# Allegro board 1119394-C028P02-36-DE2-C01_pcb.brd
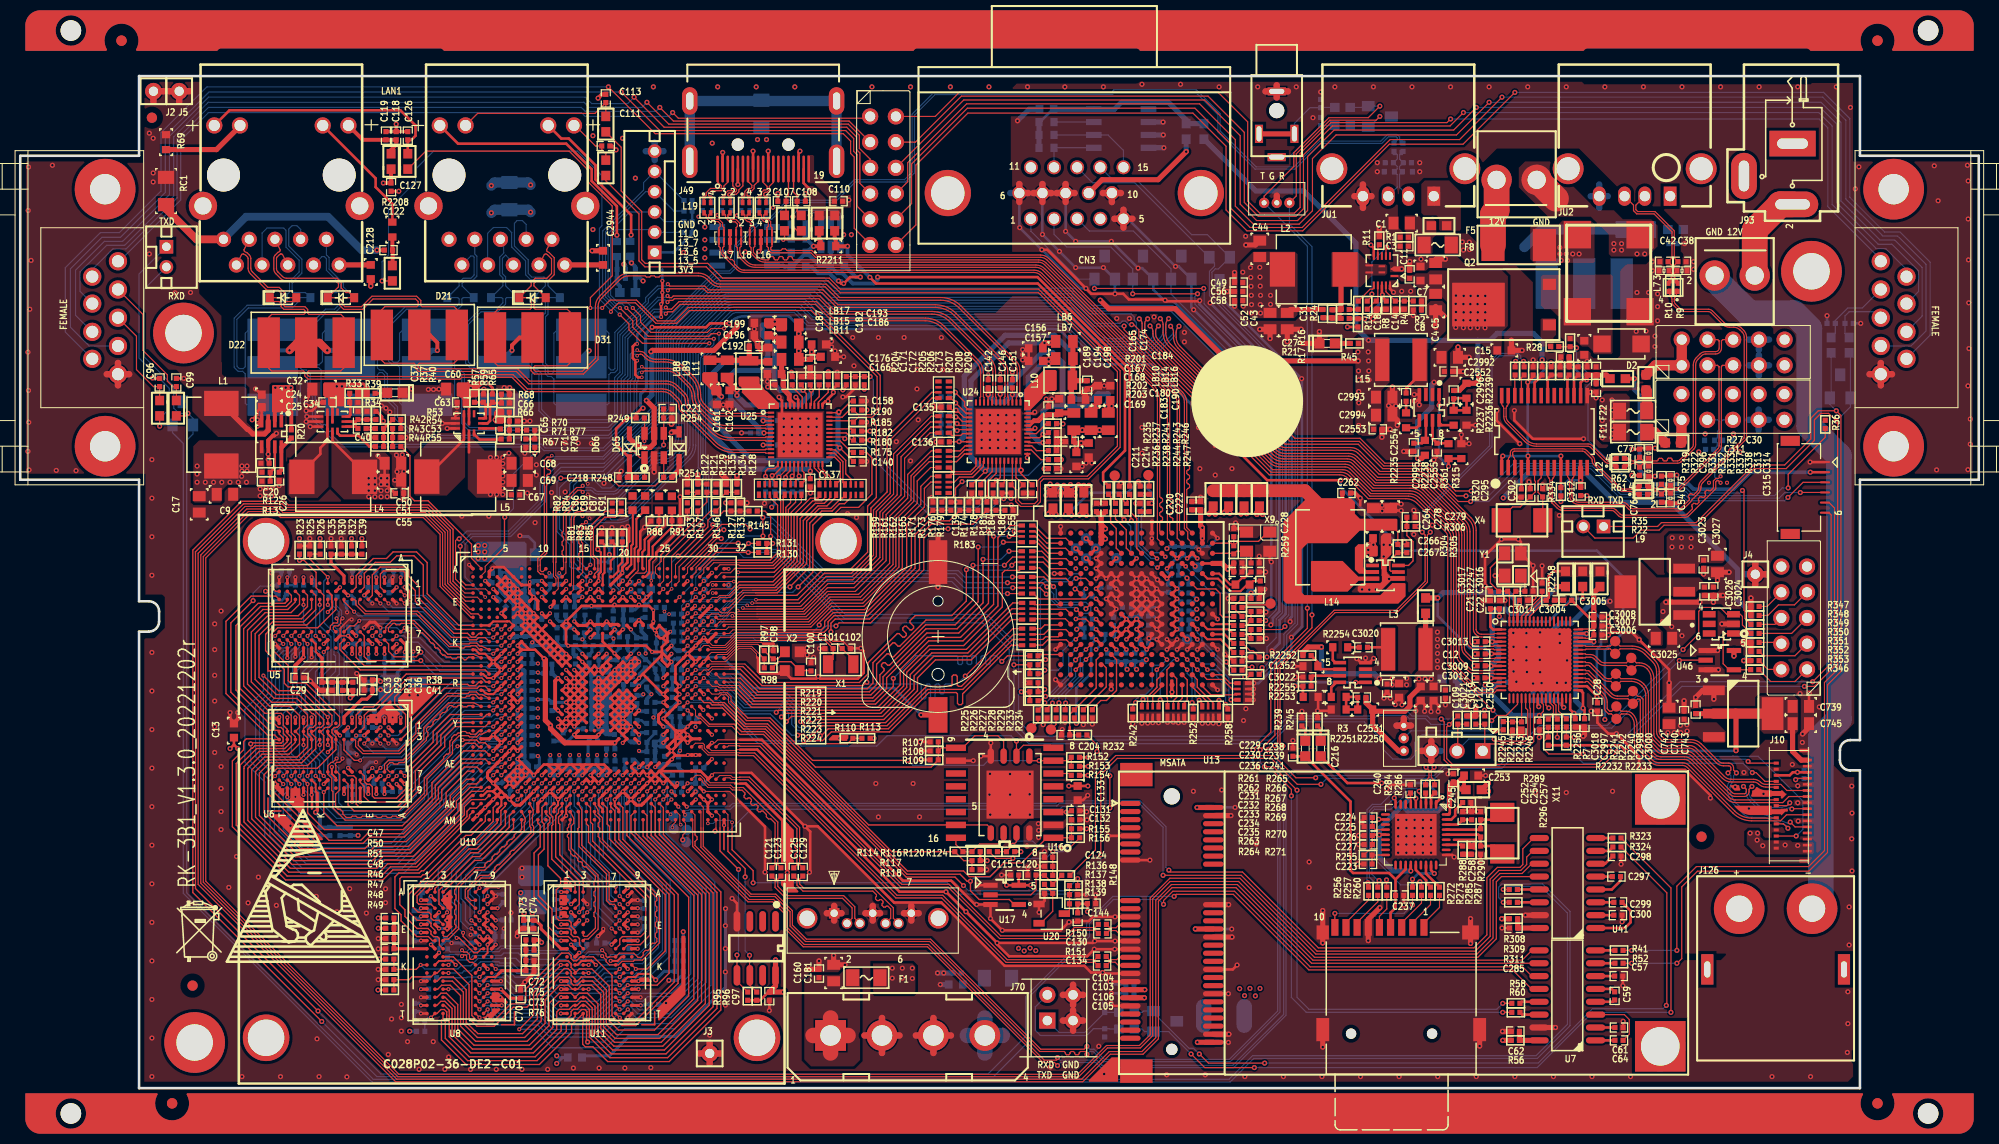
[diagram p0: board, top side]
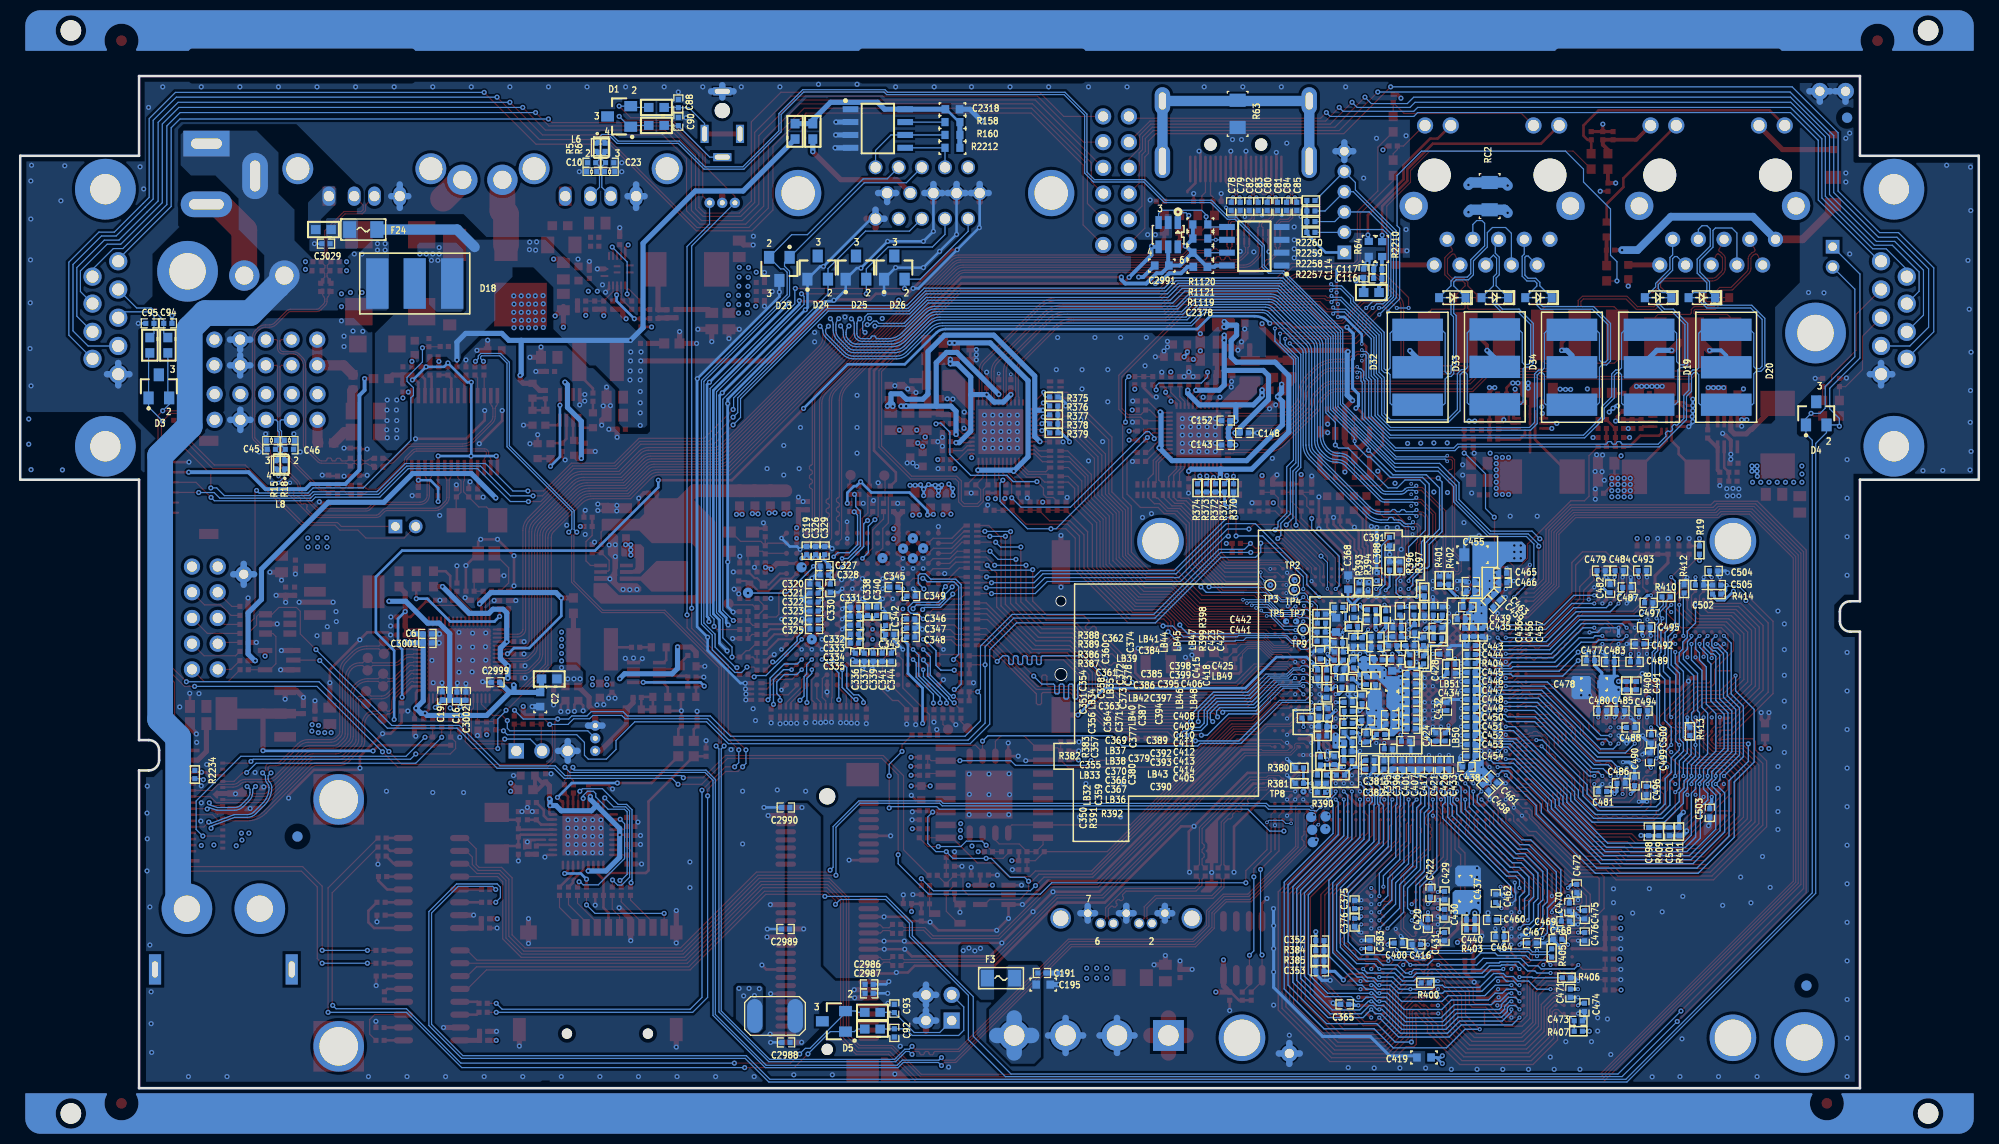
[diagram p1: board, bottom side, seen from below]

Outline 193.45 x 100 mm; copper layers: TOP, GND02, PWR03, BOTTOM. Coordinates in mm from the lower left corner of the outline.
Outline path: 0,92.13 11.73,92.13 11.73,100 181.71,100 181.71,92.13 193.45,92.13 193.45,60.12 181.71,60.12 181.71,34.39 180.75,34.39 arc(180.03,34.09) 179.73,33.38 179.73,32.41 arc(180.03,31.69) 180.75,31.39 181.71,31.39 181.71,0 11.73,0 11.73,45.11 12.7,45.11 arc(13.42,45.41) 13.72,46.13 13.72,47.09 arc(13.42,47.81) 12.7,48.11 11.73,48.11 11.73,60.12 0,60.12 0,92.13

## Design rules (mm)
constraint set DEFAULT: min track width 0.114
net group 15: nets JTAG_TCK JTAG_TRSTN
net group AC0_LINEIN_L: nets AC0_LINEIN_L N1265743
net group AC0_LINEIN_R: nets AC0_LINEIN_R N1265629
net group DIFFJ141: nets SATA_TXM2 SATA_TXP2
net group DIFFJ142: nets SATA_RXM1 SATA_RXP1
net group DIFFPAIR21: nets USB2_DM1 USB2_DP1
net group DIFFPAIR22: nets USB2_DM0 USB2_DP0
net group DIFFPAIR37: nets USB3_TXM USB3_TXP
net group DIFFPAIR38: nets USB3_RXM USB3_RXP
net group DIFFPAIR45: nets SATA_TXM1 SATA_TXP1
net group DIFFPAIR60: nets GE0_MDI1_N GE0_MDI1_P
net group DIFFPAIR61: nets GE0_MDI0_N GE0_MDI0_P
net group EPHY1_RSTN: nets EPHY1_RSTN N1300455
net group GE0_MDI2: nets GE0_MDI2_N GE0_MDI2_P
net group GE0_MDI3: nets GE0_MDI3_N GE0_MDI3_P
net group GE1_MDI0: nets GE1_MDI0_N GE1_MDI0_P
net group GE1_MDI1: nets GE1_MDI1_N GE1_MDI1_P
net group GE1_MDI2: nets GE1_MDI2_N GE1_MDI2_P
net group GE1_MDI3: nets GE1_MDI3_N GE1_MDI3_P
net group HDMI_7842_TX0+: nets HDMI_7842_TX0+ N18473859
net group HDMI_7842_TX0-: nets HDMI_7842_TX0- N18473862
net group HDMI_7842_TX1+: nets HDMI_7842_TX1+ N18989021
net group HDMI_7842_TX1-: nets HDMI_7842_TX1- N18988998
net group HDMI_7842_TX2+: nets HDMI_7842_TX2+ N18473853
net group HDMI_7842_TX2-: nets HDMI_7842_TX2- N18473856
net group HDMI_7842_TXC+: nets HDMI_7842_TXC+ N18988909
net group HDMI_7842_TXC-: nets HDMI_7842_TXC- N18988802
net group MDCK: nets BOOTROM_SEL MDCK
net group MIPI0: nets MIPI_N1_D0+ MIPI_N1_D0-
net group MIPI1: nets MIPI_N1_D1+ MIPI_N1_D1-
net group MIPI2: nets MIPI_N1_D2+ MIPI_N1_D2-
net group MIPI3: nets MIPI_N1_D3+ MIPI_N1_D3-
net group MIPIC: nets MIPI_N1_CLK+ MIPI_N1_CLK-
net group N121250: nets N121250 N121664
net group SATA_RX2: nets SATA_RXM2 SATA_RXP2
net group SATA_RXM0: nets N16774177 SATA_RXM0
net group SATA_RXP0: nets N16774181 SATA_RXP0
net group SATA_TXM0: nets N16774185 SATA_TXM0
net group SATA_TXP0: nets N16774189 SATA_TXP0
net group SFC_BOOT_MODE: nets SFC_BOOT_MODE SFC_CLK
net group SFC_HOLD_IO3: nets N369871 SFC_HOLD_IO3
net group SN_BOOT_PIN1: nets SN_BOOT_PIN1 VOU1120_DATA8/I2S0_MCLK
net group USB3_DM: nets N18944001 USB3_DM
net group USB3_DP: nets N18943994 USB3_DP
net group USB_EX1_DM: nets N18131779 USB_EX1_DM
net group USB_EX1_DP: nets N18131773 USB_EX1_DP
net group USB_EX2_DM: nets N18947100 USB_EX2_DM
net group USB_EX2_DP: nets N18947108 USB_EX2_DP
net group USB_EX3_DM: nets N18946581 USB_EX3_DM
net group USB_EX3_DP: nets N18946589 USB_EX3_DP
net group USB_EX4_DM: nets N18943986 USB_EX4_DM
net group USB_EX4_DP: nets N18943978 USB_EX4_DP
net group VGA_HS: nets N791895 VGA_HS
net group VGA_VS: nets N791899 VGA_VS
net group WDG_RSTN: nets N121704 WDG_RSTN
net group BOOT_SEL1: nets BOOT_SEL1 EPHY0_CLK N1294199
net group DDR0: nets DDR0_A0 DDR0_A1 DDR0_A2 DDR0_A3 DDR0_A4 DDR0_A5 DDR0_A6 DDR0_A7 DDR0_A8 DDR0_A9 DDR0_A10 DDR0_A11 DDR0_A12 DDR0_A13 DDR0_A14 DDR0_A15 DDR0_BA0 DDR0_BA1 DDR0_BA2 DDR0_CAS_N DDR0_CKE DDR0_ODT DDR0_RAS_N DDR0_RESET_N DDR0_WE_N DDR0_ZQ
net group DDR0_DQ0: nets DDR0_DM0 DDR0_DQ0 DDR0_DQ1 DDR0_DQ2 DDR0_DQ3 DDR0_DQ4 DDR0_DQ5 DDR0_DQ6 DDR0_DQ7 DDR0_DQS0_N DDR0_DQS0_P
net group DDR0_DQ1: nets DDR0_DM1 DDR0_DQ8 DDR0_DQ9 DDR0_DQ10 DDR0_DQ11 DDR0_DQ12 DDR0_DQ13 DDR0_DQ14 DDR0_DQ15 DDR0_DQS1_N DDR0_DQS1_P
net group DDR0_DQ2: nets DDR0_DM2 DDR0_DQ16 DDR0_DQ17 DDR0_DQ18 DDR0_DQ19 DDR0_DQ20 DDR0_DQ21 DDR0_DQ22 DDR0_DQ23 DDR0_DQS2_N DDR0_DQS2_P
net group DDR0_DQ3: nets DDR0_DM3 DDR0_DQ24 DDR0_DQ25 DDR0_DQ26 DDR0_DQ27 DDR0_DQ28 DDR0_DQ29 DDR0_DQ30 DDR0_DQ31 DDR0_DQS3_N DDR0_DQS3_P
net group DDR1: nets DDR1_A0 DDR1_A1 DDR1_A2 DDR1_A3 DDR1_A4 DDR1_A5 DDR1_A6 DDR1_A7 DDR1_A8 DDR1_A9 DDR1_A10 DDR1_A11 DDR1_A12 DDR1_A13 DDR1_A14 DDR1_A15 DDR1_BA0 DDR1_BA1 DDR1_BA2 DDR1_CAS_N DDR1_CKE DDR1_CS_N DDR1_ODT DDR1_RAS_N DDR1_RESET_N DDR1_WE_N DDR1_ZQ
net group DDR1_DQ0: nets DDR1_DM0 DDR1_DQ0 DDR1_DQ1 DDR1_DQ2 DDR1_DQ3 DDR1_DQ4 DDR1_DQ5 DDR1_DQ6 DDR1_DQ7 DDR1_DQS0_N DDR1_DQS0_P
net group DDR1_DQ1: nets DDR1_DM1 DDR1_DQ8 DDR1_DQ9 DDR1_DQ10 DDR1_DQ11 DDR1_DQ12 DDR1_DQ13 DDR1_DQ14 DDR1_DQ15 DDR1_DQS1_N DDR1_DQS1_P
net group DDR1_DQ2: nets DDR1_DM2 DDR1_DQ16 DDR1_DQ17 DDR1_DQ18 DDR1_DQ19 DDR1_DQ20 DDR1_DQ21 DDR1_DQ22 DDR1_DQ23 DDR1_DQS2_N DDR1_DQS2_P
net group DDR1_DQ3: nets DDR1_DM3 DDR1_DQ24 DDR1_DQ25 DDR1_DQ26 DDR1_DQ27 DDR1_DQ28 DDR1_DQ29 DDR1_DQ30 DDR1_DQ31 DDR1_DQS3_N DDR1_DQS3_P
net group EPHY0_RSTN: nets EPHY0_RSTN N1293779 UPDATE_FROM_USB
net group EPHY1_CLK: nets EPHY1_CLK N1300229 SATA_PCIE_MODE1
net group GE0_1V05_PHY: nets GE0_1V05_PHY
net group GE1_1V05_PHY: nets GE1_1V05_PHY
net group GND_EARTH: nets GND_EARTH N19002478 N19002508 N19002660 N19004060 N19004132 N19004143
net group HDMI_J66: nets HDMI_TX0N HDMI_TX0P HDMI_TX1N HDMI_TX1P HDMI_TX2N HDMI_TX2P HDMI_TXCN HDMI_TXCP
net group RGMII: nets RGMII0_COL RGMII0_RXER RGMII1_COL RGMII1_CRS RGMII1_RXER
net group RGMII0: nets GE0_AN0 GE0_AN1 GE0_PHY_AD2 GE0_SELRGV GE0_TXDLY MDIO N1294187 RGMII0_RXCK RGMII0_RXD0 RGMII0_RXD1 RGMII0_RXD2 RGMII0_RXD3 RGMII0_RXDV RGMII0_TXCKOUT RGMII0_TXD0 RGMII0_TXD1 RGMII0_TXD2 RGMII0_TXD3 RGMII0_TXEN SYS_RSTN
net group RGMII1: nets GE1_AN0 GE1_AN1 GE1_PHY_AD2 GE1_SELRGV GE1_TXDLY RGMII1_RXCK RGMII1_RXD0 RGMII1_RXD1 RGMII1_RXD2 RGMII1_RXD3 RGMII1_RXDV RGMII1_TXCKOUT RGMII1_TXD0 RGMII1_TXD1 RGMII1_TXD2 RGMII1_TXD3 RGMII1_TXEN
net group VI: nets VI_CLK VI_D0 VI_D1 VI_D2 VI_D3 VI_D4 VI_D5 VI_D6 VI_D7 VI_D8 VI_D9 VI_D10 VI_D11 VI_D12 VI_D13 VI_D14 VI_D15
net group VOU1120-DATA: nets I2S0_SD_RX/I2S2_MCLK SN_BOOT_PIN0 SN_BOOT_PIN2 VOU1120_DATA5/I2S0_WS_RX VOU1120_DATA6/I2S0_BCLK_RX
net group XIN: nets N120940 XIN XOUT

## Placement (name value [footprint] x y rotation side)
BT1  -  [CR1220]  90.65 44.63 270 top
C1  22UF  [SC0805]  136.45 85.47 180 top
C2  10uf  [SC0603]  142.09 38.4 270 bottom
C3  100NF  [SC0402]  136.7 83.19 180 top
C4  22UF  [SC0805]  139.8 77.67 270 top
C5  22UF  [SC0805]  139.8 80.72 90 top
C6  100NF  [SC0402]  153.24 44.88 0 bottom
C7  10uf  [SC0603]  138.3 80.49 90 top
C8  100NF  [SC0402]  138 76.89 180 top
C9  22UF  [SC0805]  20.22 58.67 0 top
C10  5PF  [SC0402]  137.01 91.44 0 bottom
C11  100NF  [SC0402]  137.24 80.42 90 top
C12  100NF  [SC0402]  144.3 42.9 180 top
C13  10uf  [SC0603]  21.11 35.33 90 top
C14  220NF  [SC0402]  135.81 77.37 270 top
C15  10uf  [SC0603]  146.58 72.9 0 top
C16  1UF  [SC0402]  150.32 38.73 90 bottom
C17  22UF  [SC0805]  17.68 57.68 270 top
C18  1UF  [SC0402]  133.93 77.37 270 top
C19  100NF  [SC0402]  151.76 38.76 270 bottom
C20  220NF  [SC0402]  24.18 61.75 0 top
C21  1UF  [SC0402]  145.21 47.78 90 top
C22  100NF  [SC0402]  146.1 47.78 270 top
C23  5PF  [SC0402]  135.23 91.44 180 bottom
C24  10uf  [SC0603]  24.56 68.53 0 top
C25  10uf  [SC0603]  24.56 67.28 0 top
C26  220NF  [SC0402]  25.58 60.45 270 top
C27  220NF  [SC0402]  130.86 76.94 180 top
C28  1UF  [SC0402]  155.78 37.67 270 top
C29  100NF  [SC0402]  27.58 40.54 0 top
C30  10uf  [SC0603]  154.48 73.15 270 top
C31  220PF  [SC0402]  128.68 76.53 90 top
C32  22UF  [SC0805]  29.67 69.06 180 top
C33  100NF  [SC0402]  29.81 39.71 270 top
C34  100NF  [SC0402]  30.35 67.77 180 top
C35  100NF  [SC0402]  30.69 53.17 90 top
C36  100NF  [SC0402]  32.85 39.71 90 top
C37  220NF  [SC0402]  33.35 66.47 90 top
C38  5PF  [SC0402]  164.13 81.66 180 top
C39  100NF  [SC0402]  33.74 53.17 270 top
C40  NC  [SC0402]  33.76 65.18 0 top
C41  100NF  [SC0402]  34.38 39.32 180 top
C42  5PF  [SC0402]  162.36 81.66 0 top
C43  22UF  [SC0805]  125.15 75.79 270 top
C44  22UF  [SC0805]  122.43 82.93 90 top
C45  5PF  [SC0402]  168.64 63.12 0 bottom
C46  5PF  [SC0402]  166.87 63.12 180 bottom
C47  100NF  [SC0402]  36.5 16.81 0 top
C48  100NF  [SC0402]  36.5 13.77 180 top
C49  100NF  [SC0402]  120.35 79.6 180 top
C50  22UF  [SC0805]  36.8 61.75 0 top
C51  22UF  [SC0805]  36.8 60.07 0 top
C52  22UF  [SC0805]  123.44 75.79 270 top
C53  1UF  [SC0402]  37.19 64.29 0 top
C54  5PF  [SC0402]  162.1 58.29 270 top
C55  100NF  [SC0402]  37.47 58.78 0 top
C56  100NF  [SC0402]  120.35 78.71 180 top
C57  100NF  [SC0402]  157.89 11.07 0 top
C58  100NF  [SC0402]  120.35 77.83 180 top
C59  100NF  [SC0402]  157.48 9.12 270 top
C60  22UF  [SC0805]  42.88 69.06 180 top
C61  100NF  [SC0402]  157.91 5.99 0 top
C62  100NF  [SC0402]  147.68 5.61 180 top
C63  100NF  [SC0402]  43.56 67.77 180 top
C64  100NF  [SC0402]  157.91 4.72 180 top
C65  NC  [SC0402]  47.42 65.53 90 top
C66  220NF  [SC0402]  47.93 67.69 0 top
C67  100NF  [SC0402]  48.92 58.62 0 top
C68  22UF  [SC0805]  49.33 61.75 0 top
C69  22UF  [SC0805]  49.33 60.05 0 top
C70  100NF  [SC0402]  49.43 9.3 90 top
C71  1UF  [SC0402]  49.94 63.73 270 top
C72  100NF  [SC0402]  50.35 14.65 180 top
C73  100NF  [SC0402]  50.35 12.62 0 top
C74  100NF  [SC0402]  50.73 16.18 270 top
C75  5PF  [SC0402]  162.1 60.07 90 top
C76  5PF  [SC0402]  159.94 60.96 270 top
C77  5PF  [SC0402]  159.94 62.74 90 top
C78  5PF  [SC0402]  73.84 87.12 90 bottom
C79  5PF  [SC0402]  72.95 87.12 90 bottom
C80  5PF  [SC0402]  70.28 87.12 90 bottom
C81  5PF  [SC0402]  69.27 87.12 90 bottom
C82  5PF  [SC0402]  72.06 87.12 90 bottom
C83  5PF  [SC0402]  71.17 87.12 90 bottom
C84  5PF  [SC0402]  68.38 87.12 90 bottom
C85  5PF  [SC0402]  67.36 87.12 90 bottom
C86  10uf  [SC0603]  60.48 57.81 90 top
C87  10uf  [SC0603]  63.09 57.78 90 top
C88  5PF  [SC0402]  128.45 97.28 90 bottom
C89  10uf  [SC0603]  61.72 57.81 90 top
C90  5PF  [SC0402]  128.45 95.5 90 bottom
C91  10uf  [SC0603]  64.36 57.78 90 top
C92  5PF  [SC0402]  107.11 5.46 270 bottom
C93  5PF  [SC0402]  107.11 7.87 90 bottom
C94  5PF  [SC0402]  178.87 75.57 180 bottom
C95  5PF  [SC0402]  180.64 75.57 0 bottom
C96  5PF  [SC0402]  13.77 69.72 90 top
C97  100NF  [SC0402]  73.99 9.09 90 top
C98  22PF  [SC0402]  74.37 42.82 270 top
C99  5PF  [SC0402]  15.42 69.72 90 top
C100  22PF  [SC0402]  78.11 41.63 270 top
C101  22PF  [SC0402]  79.88 43.43 0 top
C102  22PF  [SC0402]  81.58 43.43 180 top
C103  10NF  [SC0402]  106.88 15.29 180 top
C104  10NF  [SC0402]  106.88 16.18 180 top
C105  10NF  [SC0402]  106.86 12.12 180 top
C106  10NF  [SC0402]  106.86 13 180 top
C107  5PF  [SC0402]  75.23 87.63 180 top
C108  5PF  [SC0402]  77.14 87.63 0 top
C109  100NF  [SC0402]  135 39.52 270 top
C110  5PF  [SC0402]  80.82 87.63 0 top
C111  1NF  [SC0402]  57.84 93.09 0 top
C112  22UF  [SC0603]  139.6 38.99 270 top
C113  1NF  [SC0402]  57.84 97.79 90 top
C114  1NF  [SC0402]  60.76 80.52 90 bottom
C115  100NF  [SC0402]  98.22 21.06 180 top
C116  100NF  [SC0402]  59.36 80.01 0 bottom
C117  100NF  [SC0402]  59.36 80.9 0 bottom
C118  100NF  [SC0402]  37.13 94.11 90 top
C119  100NF  [SC0402]  36.12 94.11 90 top
C120  1NF  [SC0402]  99.92 21.06 180 top
C121  10NF  [SC0402]  74.24 21.36 90 top
C122  1NF  [SC0402]  36.37 82.8 180 top
C123  10NF  [SC0402]  75.13 21.36 90 top
C124  1NF  [SC0402]  101.57 22.81 180 top
C125  10NF  [SC0402]  76.4 21.36 90 top
C126  1NF  [SC0402]  38.28 94.11 90 top
C127  1NF  [SC0402]  36.63 89.03 270 top
C129  10NF  [SC0402]  77.29 21.36 90 top
C130  100NF  [SC0402]  104.04 19.13 0 top
C131  1NF  [SC0402]  104.24 27.41 0 top
C132  100NF  [SC0402]  104.24 26.52 0 top
C133  10uf  [SC0603]  104.44 29.16 270 top
C134  100NF  [SC0402]  104.44 16.92 270 top
C135  100NF  [SC0402]  91.36 67.28 180 top
C136  100NF  [SC0402]  91.36 63.86 180 top
C137  100NF  [SC0402]  78.03 59.82 270 top
C139  100NF  [SC0402]  93.98 59.21 270 top
C140  100NF  [SC0402]  82.7 61.93 0 top
C142  100NF  [SC0402]  95.61 69.6 90 top
C143  100NF  [SC0402]  74.37 63.55 0 bottom
C144  100NF  [SC0402]  105.82 18.24 0 top
C146  100NF  [SC0402]  96.8 69.6 90 top
C148  100NF  [SC0402]  72.54 64.74 180 bottom
C151  100NF  [SC0402]  97.99 69.6 90 top
C152  100NF  [SC0402]  74.37 65.96 0 bottom
C155  100NF  [SC0402]  99.95 59.21 270 top
C156  10uf  [SC0603]  100.3 73.1 180 top
C157  10uf  [SC0603]  100.3 71.86 180 top
C158  100NF  [SC0402]  82.7 67.89 0 top
C160  100NF  [SC0402]  78.89 11.33 90 top
C161  10uf  [SC0603]  68.81 68.25 270 top
C162  10uf  [SC0603]  70.05 68.25 270 top
C165  100NF  [SC0402]  101.55 66.95 90 top
C166  100NF  [SC0402]  74.96 69.49 180 top
C167  100NF  [SC0402]  101.96 64.77 0 top
C168  100NF  [SC0402]  101.96 63.88 0 top
C169  100NF  [SC0402]  101.96 61.21 0 top
C171  100NF  [SC0402]  77.14 69.9 90 top
C172  100NF  [SC0402]  78.03 69.9 90 top
C173  100NF  [SC0402]  80.7 69.9 90 top
C174  10uf  [SC0603]  102.62 67.41 90 top
C176  10uf  [SC0603]  74.5 70.56 180 top
C180  100NF  [SC0402]  103.66 63.88 180 top
C181  22UF  [SC0805]  80.34 11.38 90 top
C182  100NF  [SC0402]  78.03 71.6 270 top
C183  10uf  [SC0603]  104.32 62.13 270 top
C184  10uf  [SC0603]  104.52 68.02 0 top
C186  10uf  [SC0603]  79.78 72.26 0 top
C187  10uf  [SC0603]  73.89 72.47 90 top
C189  100NF  [SC0402]  105.38 69.49 270 top
C190  10uf  [SC0603]  105.54 63.04 270 top
C191  100NF  [SC0402]  92.53 11.38 180 bottom
C192  100NF  [SC0402]  72.42 73.33 0 top
C193  10uf  [SC0603]  78.87 73.48 0 top
C194  10uf  [SC0603]  106.45 68.71 90 top
C195  10uf  [SC0603]  92.41 10.24 180 bottom
C196  10uf  [SC0603]  73.2 74.4 180 top
C198  10uf  [SC0603]  107.67 68.71 90 top
C199  10uf  [SC0603]  73.2 75.62 180 top
C204  4.7uf  [SC0402]  103.25 34.9 180 top
C211  100NF  [SC0402]  106.3 57.38 90 top
C214  100NF  [SC0402]  107.19 57.38 90 top
C216  100NF  [SC0402]  125.7 33.2 90 top
C218  100NF  [SC0402]  59.56 60.35 180 top
C220  100NF  [SC0402]  115.7 57.56 90 top
C221  100NF  [SC0402]  63.96 67.11 0 top
C222  100NF  [SC0402]  116.59 57.56 90 top
C223  100NF  [SC0402]  133.12 22.15 180 top
C224  100NF  [SC0402]  133.15 26.75 0 top
C225  1UF  [SC0402]  133.15 25.86 0 top
C226  100NF  [SC0402]  133.15 24.97 180 top
C227  100NF  [SC0402]  133.15 24.08 180 top
C228  10pF  [SC0402]  119.86 54.89 270 top
C229  100NF  [SC0402]  120.27 51.89 0 top
C230  100NF  [SC0402]  120.27 51 0 top
C231  100NF  [SC0402]  120.27 46.61 180 top
C232  100NF  [SC0402]  120.27 45.72 180 top
C233  100NF  [SC0402]  120.27 44.83 180 top
C234  1NF  [SC0402]  120.27 43.94 180 top
C235  100NF  [SC0402]  120.27 43.05 180 top
C236  10uf  [SC0603]  120.73 49.76 180 top
C237  1UF  [SC0402]  136.25 19.05 0 top
C238  10pF  [SC0402]  121.97 51.89 180 top
C239  100NF  [SC0402]  121.97 51 180 top
C240  100NF  [SC0402]  137.31 29.57 90 top
C241  100NF  [SC0402]  122.48 49.71 90 top
C245  100NF  [SC0402]  141.55 30.66 90 top
C252  100NF  [SC0402]  142.47 26.92 270 top
C253  10uf  [SC0603]  143.31 30.89 0 top
C254  1UF  [SC0402]  143.36 26.92 270 top
C257  10pF  [SC0402]  144.25 26.92 270 top
C258  10pF  [SC0402]  144.25 23.52 90 top
C262  220NF  [SC0402]  130.99 58.8 0 top
C264  22UF  [SC0805]  133.65 56.49 90 top
C266  10uf  [SC0603]  134.32 54.33 180 top
C267  10uf  [SC0603]  134.32 53.09 180 top
C278  22UF  [SC0805]  135.36 56.49 90 top
C279  220NF  [SC0402]  137.36 56.41 0 top
C285  100NF  [SC0402]  147.5 15.82 180 top
C295  22PF  [SC0402]  149.15 58.83 270 top
C296  100NF  [SC0402]  149.43 70.87 90 top
C297  100NF  [SC0402]  157.66 20.9 0 top
C298  100NF  [SC0402]  157.71 22.94 0 top
C299  100NF  [SC0402]  157.81 18.36 0 top
C300  100NF  [SC0402]  157.81 17.09 0 top
C302  22PF  [SC0402]  150.37 58.83 270 top
C311  100NF  [SC0402]  152.58 72.26 180 top
C312  100NF  [SC0402]  154.13 58.95 270 top
C313  100NF  [SC0402]  154.76 70.87 90 top
C314  100NF  [SC0402]  155.65 70.87 90 top
C315  100NF  [SC0402]  155.65 69.19 270 top
C319  100NF  [SC0402]  115.77 53.11 90 bottom
C320  100NF  [SC0402]  115.04 49.81 0 bottom
C321  100NF  [SC0402]  115.04 48.92 0 bottom
C322  100NF  [SC0402]  115.04 48.03 0 bottom
C323  100NF  [SC0402]  115.04 47.14 0 bottom
C324  100NF  [SC0402]  115.04 46.25 0 bottom
C325  100NF  [SC0402]  115.04 45.36 0 bottom
C326  100NF  [SC0402]  114.88 53.11 90 bottom
C327  100NF  [SC0402]  114.02 51.59 0 bottom
C328  100NF  [SC0402]  114.02 50.7 0 bottom
C329  100NF  [SC0402]  114 53.11 90 bottom
C330  100NF  [SC0402]  113.44 49.4 270 bottom
C331  100NF  [SC0402]  111.05 47.52 0 bottom
C332  100NF  [SC0402]  111.05 46.63 0 bottom
C333  100NF  [SC0402]  111.05 45.75 0 bottom
C334  100NF  [SC0402]  111.05 44.86 0 bottom
C335  100NF  [SC0402]  111.05 43.97 0 bottom
C336  100NF  [SC0402]  110.97 42.57 270 bottom
C337  100NF  [SC0402]  110.08 42.57 270 bottom
C338  100NF  [SC0402]  109.75 47.12 90 bottom
C339  100NF  [SC0402]  109.19 42.57 270 bottom
C340  100NF  [SC0402]  108.86 47.12 90 bottom
C341  100NF  [SC0402]  108.31 42.57 270 bottom
C342  100NF  [SC0402]  107.98 46.13 90 bottom
C343  100NF  [SC0402]  107.57 44.83 180 bottom
C344  100NF  [SC0402]  107.42 42.57 270 bottom
C345  100NF  [SC0402]  107.16 49.5 0 bottom
C346  100NF  [SC0402]  105.49 46.35 180 bottom
C347  100NF  [SC0402]  105.49 45.47 180 bottom
C348  100NF  [SC0402]  105.49 44.58 180 bottom
C349  100NF  [SC0402]  105.46 48.62 180 bottom
C350  100NF  [SC0402]  65.33 30.53 270 bottom
C351  100NF  [SC0402]  65.3 40.92 270 bottom
C352  100NF  [SC0402]  65.08 14.59 180 bottom
C353  100NF  [SC0402]  65.08 11.54 0 bottom
C354  100NF  [SC0402]  65.05 42.82 90 bottom
C355  1UF  [SC0402]  64.8 35.71 0 bottom
C356  1UF  [SC0402]  64.41 39.01 270 bottom
C357  100NF  [SC0402]  64.29 37.11 90 bottom
C358  1UF  [SC0402]  63.65 42.7 90 bottom
C359  1UF  [SC0402]  63.65 32.38 90 bottom
C360  10uf  [SC0603]  63.47 45.77 90 bottom
C361  100NF  [SC0402]  63.25 43.99 0 bottom
C362  100NF  [SC0402]  63.22 47.5 0 bottom
C363  100NF  [SC0402]  63.12 41.4 180 bottom
C364  1UF  [SC0402]  62.89 40.03 90 bottom
C365  1UF  [SC0402]  62.64 8.28 0 bottom
C366  100NF  [SC0402]  62.31 34.16 180 bottom
C367  1UF  [SC0402]  62.31 33.25 180 bottom
C368  10uf  [SC0603]  62.28 49.99 90 bottom
C369  100NF  [SC0402]  62.28 38.13 180 bottom
C370  1UF  [SC0402]  62.28 35.13 0 bottom
C371  1UF  [SC0402]  61.87 40.03 270 bottom
C372  1UF  [SC0402]  61.77 44.09 270 bottom
C373  100NF  [SC0402]  61.75 41.94 90 bottom
C374  100NF  [SC0402]  61.72 46.91 270 bottom
C375  100NF  [SC0402]  61.65 18.15 90 bottom
C376  1UF  [SC0402]  61.65 16.37 270 bottom
C377  1UF  [SC0402]  60.91 38.4 90 bottom
C378  100NF  [SC0402]  60.88 44.09 270 bottom
C379  1UF  [SC0402]  60.53 36.35 180 bottom
C380  100NF  [SC0402]  60.5 34.62 90 bottom
C381  100NF  [SC0402]  60.13 32.4 180 bottom
C382  100NF  [SC0402]  60.13 31.51 180 bottom
C383  470NF  [SC0402]  60.13 14.21 90 bottom
C384  1UF  [SC0402]  59.97 46.25 0 bottom
C385  1UF  [SC0402]  59.59 44.6 0 bottom
C386  1UF  [SC0402]  59.59 43.59 0 bottom
C387  100NF  [SC0402]  59.59 40.28 270 bottom
C388  1UF  [SC0402]  59.41 50.55 90 bottom
C389  22UF  [SC0805]  58.83 38.28 0 bottom
C390  100NF  [SC0402]  58.32 33.53 180 bottom
C391  1UF  [SC0402]  58.19 54 270 bottom
C392  1UF  [SC0402]  58.14 36.86 0 bottom
C393  1UF  [SC0402]  58.14 35.97 0 bottom
C394  10uf  [SC0603]  57.94 40.54 90 bottom
C395  100NF  [SC0402]  57.89 43.71 0 bottom
C396  1UF  [SC0402]  57.86 31.93 90 bottom
C397  1UF  [SC0402]  57.56 42.32 180 bottom
C398  100NF  [SC0402]  57.45 45.49 0 bottom
C399  1UF  [SC0402]  57.45 44.6 0 bottom
C400  100NF  [SC0402]  57.33 14.34 180 bottom
C401  1UF  [SC0402]  56.97 31.93 90 bottom
C405  1UF  [SC0402]  56.62 34.29 180 bottom
C406  1UF  [SC0402]  56.18 43.71 180 bottom
C407  1UF  [SC0402]  56.08 31.93 90 bottom
C408  1UF  [SC0402]  56.06 40.84 180 bottom
C409  1UF  [SC0402]  56.06 39.95 180 bottom
C410  1UF  [SC0402]  56.06 39.07 180 bottom
C411  1UF  [SC0402]  56.06 38.18 180 bottom
C412  1UF  [SC0402]  56.06 37.29 180 bottom
C413  1UF  [SC0402]  56.06 36.4 180 bottom
C414  1UF  [SC0402]  56.06 35.51 180 bottom
C415  1UF  [SC0402]  55.73 45.39 270 bottom
C416  100NF  [SC0402]  55.56 14.21 0 bottom
C417  1UF  [SC0402]  55.19 31.93 90 bottom
C418  1UF  [SC0402]  54.84 44.15 90 bottom
C419  10uf  [SC0603]  54.79 3.03 0 bottom
C420  1UF  [SC0402]  54.41 16.24 270 bottom
C421  1UF  [SC0402]  54.31 31.93 90 bottom
C422  470NF  [SC0402]  54.16 19.29 90 bottom
C423  100NF  [SC0402]  53.87 47.14 90 bottom
C424  100NF  [SC0402]  53.62 34.7 90 bottom